# Altium PCB 接收器.PcbDoc
Units mm, origin at the board's own origin, x right, y up, seen from the top; angles counter-clockwise.
Board outline 27.69 x 17.68 mm, 2 copper layers (Top Layer, Bottom Layer), stack 1.18 mm thick; 28 components, 23 nets, 114 pads, 14 vias.
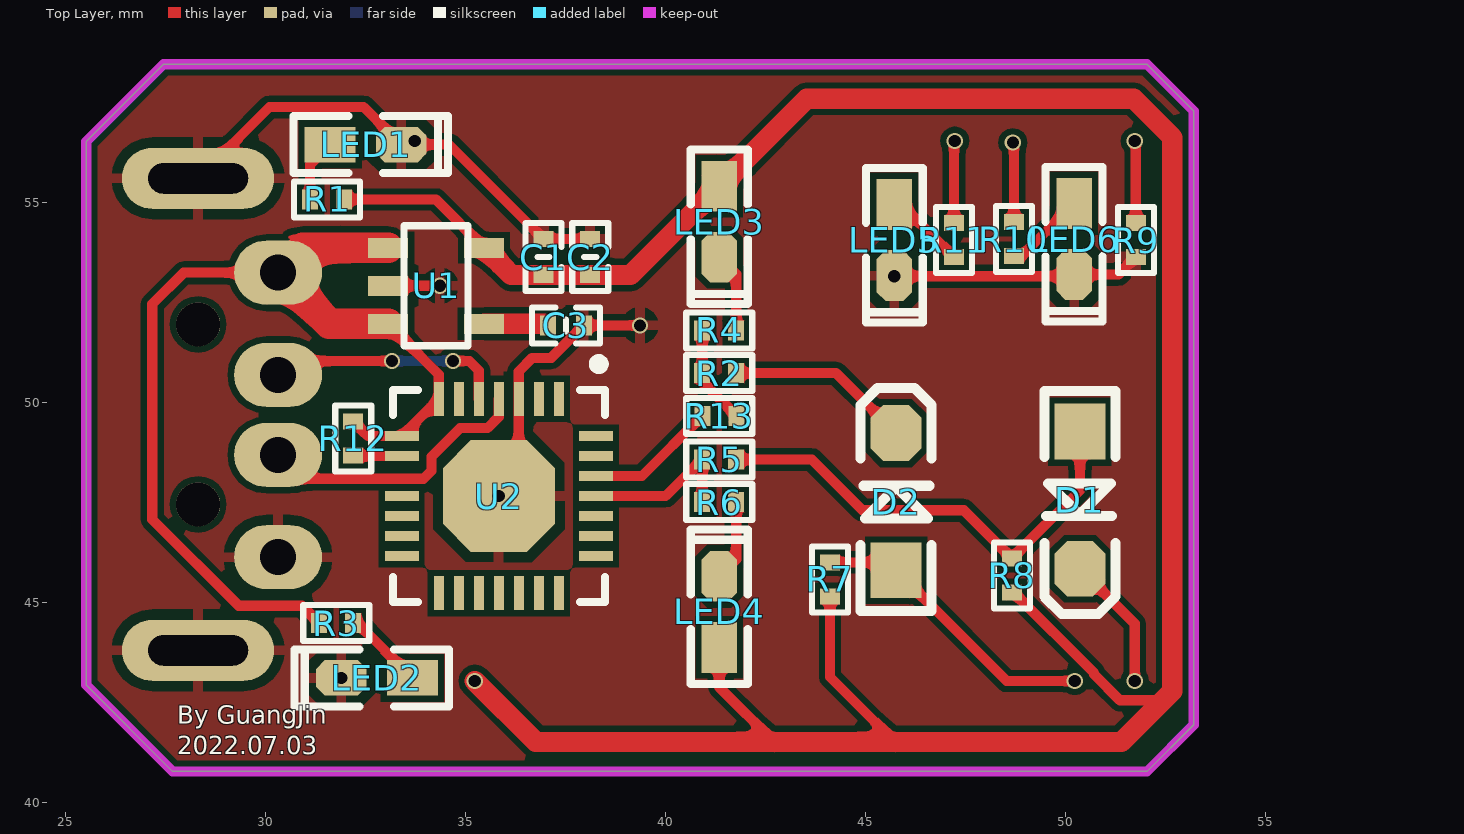
[diagram p0: Top Layer view]
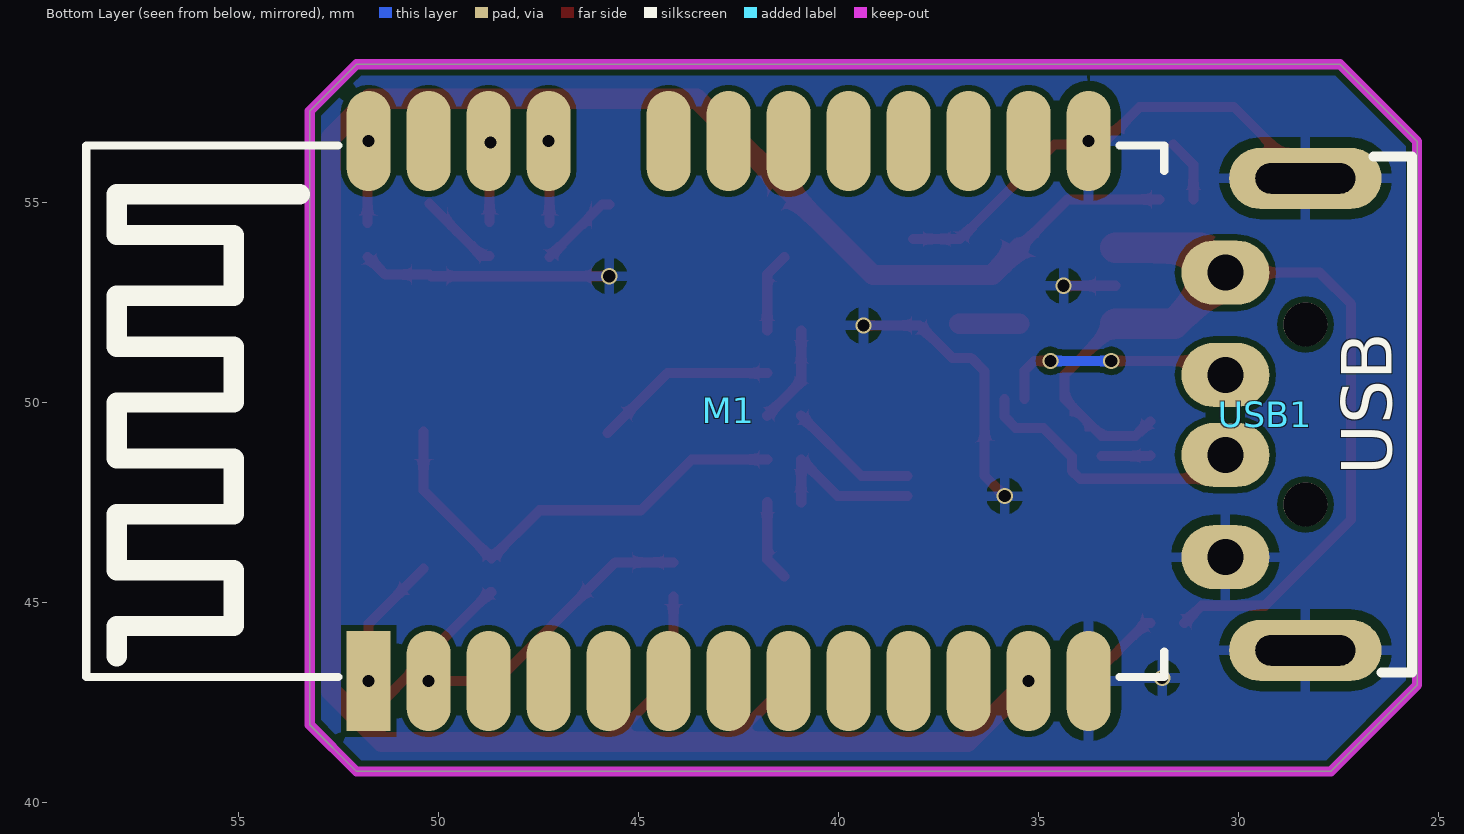
[diagram p1: Bottom Layer view, seen from below]
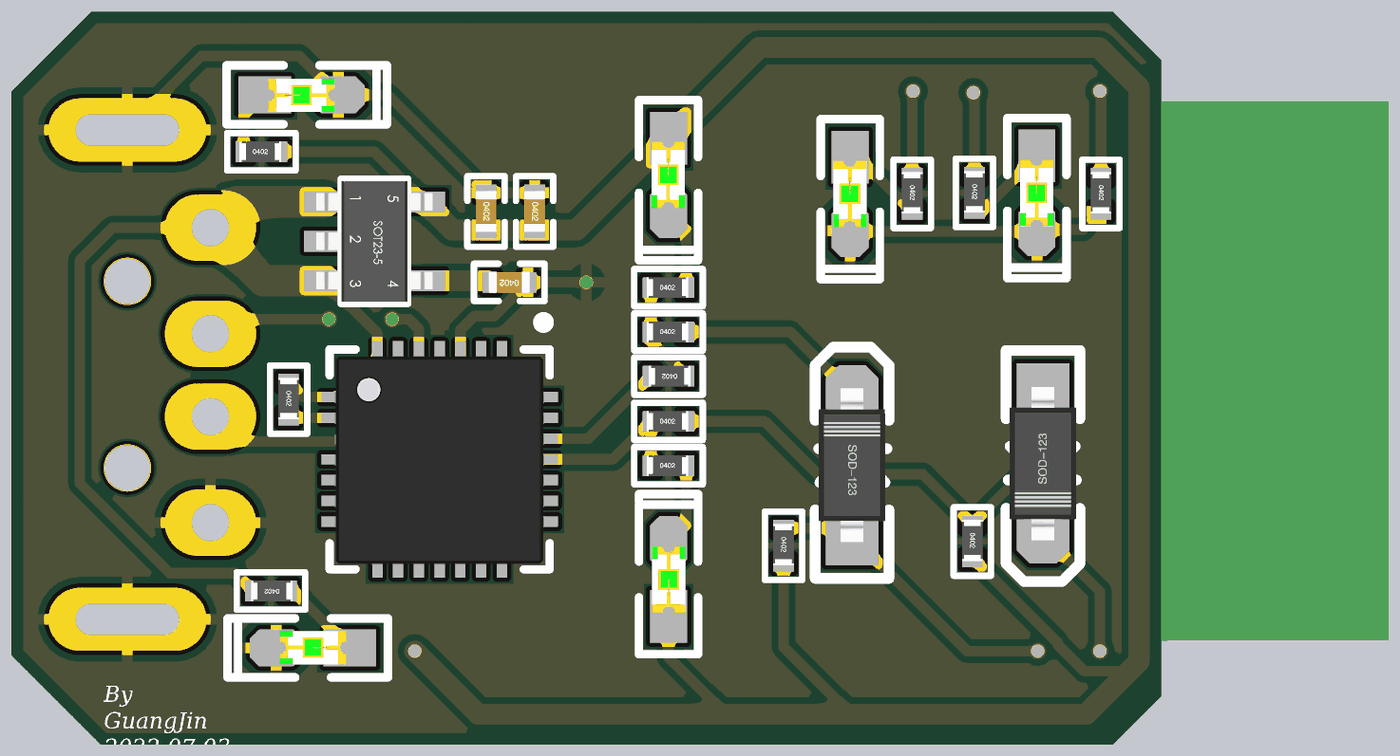
[diagram p2: 3D render of the assembled board from above, using the file's embedded part models]

## Layer stack, top to bottom
Top Solder: solder mask 0.01, Solder Resist, Dk 3.5
Top Layer: signal copper 0.03
Dielectric 1: dielectric 1.12, FR-4, Dk 4.8
Bottom Layer: signal copper 0.03
Bottom Solder: solder mask 0.01, Solder Resist, Dk 3.5

## Board outline
25.527,42.926 25.527,56.515 27.457,58.445 52.045,58.445 53.213,57.277 53.213,41.935 52.045,40.767 27.686,40.767

## Design rules (kind name [scope] priority, off if disabled: settings)
Clearance [All] p1: gap=0.152 ignorepadtopadclearanceinfootprint=FALSE
PolygonConnect [All] p1: connectstyle=Relief reliefconductorwidth=0.254 reliefentries=4 polygonreliefangle="90 Angle" airgapwidth=0.254
RoutingVias [All] p1: holewidth=0.711 width=1.27 viastyle="Through Hole" minholewidth=0.711 minwidth=1.27 maxholewidth=0.711 maxwidth=1.27
SolderMaskExpansion [All] p1: expansion=0.102
Width [All] p1: maxlimit=2.54 minlimit=0.152 preferedwidth=0.254
30 further rules are at their usual default settings.

## Components (designator, comment, footprint, x,y, rotation, side; value= is the part's Value field where it differs from the comment)
C1 "10uF" "C 0402_L" 36.957,53.627 r270 top
C2 "0.1uF" "C 0402_L" 38.125,53.627 r270 top
C3 "10nF" "C 0402_L" 37.516,51.918 r180 top
D1 "MBR0520" SOD-123 50.368,47.549 r270 top
D2 "MBR0520" SOD-123 45.771,47.511 r90 top
LED1 "红色" "LED 0603R" 32.512,56.432 r0 top
LED2 "红色" "LED 0603R" 32.792,43.11 r180 top
LED3 "蓝色" "LED 0603B" 41.345,54.509 r270 top
LED4 "蓝色" "LED 0603B" 41.358,44.755 r90 top
LED5 "红色" "LED 0603R" 45.72,54.051 r270 top
LED6 "绿色" "LED 0603G" 50.216,54.077 r270 top
M1 "HC-05" HC-05 45.337,49.778 r90 bottom
R1 "1K" "R 0402_L" 31.521,55.067 r0 top
R2 "100" "R 0402_L" 41.326,50.724 r0 top
R3 "1K" "R 0402_L" 31.801,44.475 r180 top
R4 "1K" "R 0402_L" 41.326,51.791 r0 top
R5 "100" "R 0402_L" 41.326,48.565 r0 top
R6 "1K" "R 0402_L" 41.326,47.498 r0 top
R7 "5.6K" "R 0402_L" 44.12,45.593 r270 top
R8 "5.6K" "R 0402_L" 48.666,45.695 r270 top
R9 "10K" "R 0402_L" 51.765,54.077 r270 top
R10 "10K" "R 0402_L" 48.717,54.102 r270 top
R11 "10K" "R 0402_L" 47.219,54.077 r270 top
R12 "10K" "R 0402_L" 32.201,49.116 r270 top
R13 "200R" "R 0402_L" 41.377,49.657 r180 top value=22R
U1 "ME6211" SOT23-5 33.071,53.858 r90 top
U2 "CP2102" QFN-28 35.839,47.65 r270 top value=Value
USB1 "USB" USB_A/P_A 28.321,49.693 r90 bottom

## Footprints (in the part's own frame and the unit in brackets; to place one, negate y for a bottom-side part, rotate by r counter-clockwise, add the part's x,y. Pads: shape width x height; smd on the part's side, far side on the other; paste and mask are expansions set on the pad)
"C 0402_L" [mm] "无极性贴片电容         淘宝ID:黄晶宝石"
  rect 0.4x0.5 smd: 1(-0.45,0) 2(0.45,0)
  silkscreen extent -0.85,-0.45 0.85,0.45, body extent -0.5,-0.26 0.5,0.26, height 0.53
HC-05 [mm] "串口蓝牙模块"
  rect 2.5x1.1 smd: 1(-6.75,6.403)
  oval 2.5x1.1 smd: 2(-6.75,4.903) 3(-6.75,3.403) 4(-6.75,1.903) 5(-6.75,0.403) 6(-6.75,-1.097) 7(-6.75,-2.597) 8(-6.75,-4.097) 9(-6.75,-5.597) 10(-6.75,-7.097) 11(-6.75,-8.597) 12(-6.75,-10.097) 13(-6.75,-11.597) 22(6.75,-11.597) 23(6.75,-10.097) 24(6.75,-8.597) 25(6.75,-7.097) 26(6.75,-5.597) 27(6.75,-4.097) 28(6.75,-2.597) 29(6.75,-1.097) 31(6.75,1.903) 32(6.75,3.403) 33(6.75,4.903) 34(6.75,6.403)
  silkscreen extent -6.65,-13.49 6.64,13.46, body extent -6.52,-13.37 6.52,13.35, height 2.46
"LED 0603B" [mil] "蓝色0603LED"
  rect 50x35 smd: 1(-35,0.26)
  oct 50x35 smd: 2(35,0.26)
  silkscreen extent -71,-28 81,28, body extent -31,-16 32,16, height 24
"LED 0603G" [mil] "绿色0603LED"
  rect 50x35 smd: 1(-35,0.26)
  oct 50x35 smd: 2(35,0.26)
  silkscreen extent -71,-28 81,28, body extent -31,-16 32,16, height 24
"LED 0603R" [mil] "红色0603LED"
  rect 50x35 smd: 1(-35,0.26)
  oct 50x35 smd: 2(35,0.26)
  silkscreen extent -71,-28 81,28, body extent -31,-16 32,16, height 24
QFN-28 [mm] "QFN, 28-Leads, Body 5.00x5.00mm, Pitch 0.50mm, Thermal Pad 3.03x3.03mm, IPC Medium Density"
  rect 0.85x0.25 smd: 1(-2.425,1.5) 2(-2.425,1) 3(-2.425,0.5) 4(-2.425,0) 5(-2.425,-0.5) 6(-2.425,-1) 7(-2.425,-1.5) 15(2.425,-1.5) 16(2.425,-1) 17(2.425,-0.5) 18(2.425,0) 19(2.425,0.5) 20(2.425,1) 21(2.425,1.5)
  rect 0.25x0.85 smd: 8(-1.5,-2.425) 9(-1,-2.425) 11(0,-2.425) 12(0.5,-2.425) 13(1,-2.425) 14(1.5,-2.425) 22(1.5,2.425) 23(1,2.425) 24(0.5,2.425) 25(0,2.425) 26(-0.5,2.425) 27(-1,2.425) 28(-1.5,2.425)
  oct 2.801x2.801 smd: 29(0,0)
  silkscreen extent -3.42,-2.65 2.65,2.65, body extent -2.5,-2.53 2.54,2.51, height 0.9
"R 0402_L" [mm] "1/16W贴片电阻     淘宝ID:黄晶宝石"
  rect 0.4x0.5 smd: 1(-0.4,0) 2(0.45,0)
  silkscreen extent -0.8,-0.45 0.85,0.45, body extent -0.5,-0.25 0.5,0.25, height 0.3
SOD-123 [mil] "2.7x1.6X1.1mm（长宽高，不包括引脚） 淘宝ID:黄晶宝石"
  rect 55x50 smd: 1(-67.5,0)
  oct 55x50 smd: 2(67.5,0)
  silkscreen extent -108,-35 112,35, body extent -73,-31 73,31, height 48
SOT23-5 [mm]
  rect 0.5x1 smd: 1(0,0) 2(-0.95,0) 3(-1.9,0) 4(-1.9,-2.4) 5(0,-2.4)
  silkscreen extent -2.45,-2 0.55,-0.4, body extent -2.4,-2.6 0.5,0.2, height 1.09
USB_A/P_A [mm] "A型USB 插头，20*13*4.5mm"
  round 1.1 hole 1.1: 0(-2.25,0) 0(2.25,0)
  oval 1.6x2.2 hole 0.9: 1(3.543,2) 2(0.987,2) 3(-1.013,2) 4(-3.569,2)
  oval 1.524x3.81 hole 0.762 slot 2.5 at 90 deg: 4(-5.9,0) 4(5.9,0)
  silkscreen extent -6.45,-2.67 6.45,-1.7, body extent -6.47,-17.9 6.47,2.11, height 3.25

## Part data
C1 C2 C3: library part 电容-0402, "Capacitor"
D1 D2: library part 1N4007, "整流二极管"
LED1 LED2 LED3 LED4 LED5 LED6: library part LED-SMD, "贴片LED", BOM名称=贴片, 学习资源=https://shop463601444.taobao., 版权归属=封装库来自淘
M1: "串口蓝牙模块"
R1 R2 R3 R4 R5 R6 R7 R8 R9 R10 R11 R12: library part R, "贴片电阻"
R13: library part 电阻-0402, "Resistor"
U1: "DC降压芯片"
U2: "USBתTTL", MFG #1="SILICON LABS", PART DESC="SINGLE-CHIP USB TO UART BRIDGE, QFN28, RoHS.", PART NUMBER=CP2102, RefDes=RefDes, Type=DEV
USB1: library part USB-A/P, "USB-A型公接口", BOM名称=USB-AÐÍ¹, 学习资源=www.ooocke.

## Via types
v1: diameter 0.406, hole 0.305, Top Layer to Bottom Layer, tented both sides, 14 vias

## Nets (pads, with @x,y where several pads share a name; then routed paths per layer and width w, separated by ;. In a path a pad name is that pad's centre, name@x,y a point inside that pad or via, vN(x,y) a via of type N, cw(c..) or ccw(c..) an arc to the next point about the centre after c; other vN are vias at no path point)
3.3V: C1.2 C2.2 LED3.1 LED4.1 M1.12 R1.2 R7.2 R8.2 U1.5 | length 68.3
  Top Layer w0.254: R1.2 34.262,55.067 U1.5 ; LED4.1 41.351,42.875 42.723,41.504 ; R7.2 44.12,43.129 45.745,41.504 ; R8.2 48.705,45.245 50.722,43.227 50.722,43.189 51.366,42.545 52.451,42.545
  Top Layer w0.508: v1(35.24,43.028) 36.764,41.504 42.723,41.504 45.745,41.504 51.41,41.504 52.451,42.545 52.68,42.774 52.68,56.617 51.714,57.582 43.536,57.582 LED3.1 39.131,53.177 C2.2 C1.2 36.152,53.177 U1.5
D+: U2.4 USB1.3 | length 7.1
  Top Layer w0.254: USB1.3 30.919,48.082 33.956,48.082 34.159,48.285 34.159,48.637 34.874,49.352 35.561,49.352 35.839,49.63 U2.4
D-: U2.5 USB1.2 | length 6
  Top Layer w0.254: USB1.2 30.67,51.029 v1(33.172,51.029) ; v1(34.696,51.029) 35.103,51.029 35.339,50.792 U2.5
  Bottom Layer w0.254: v1@33.147,51.029 v1(33.172,51.029) v1(34.696,51.029)
GND: C1.1 C2.1 C3.1 LED1.2 LED2.2 LED5.2 LED6.2 M1.13 M1.22 R9.2 U1.2 U2.3 U2.29 USB1.4 | length 26.3
  Top Layer w0.254: USB1.4@28.321,55.593 30.107,57.379 32.461,57.379 LED1.2 34.595,56.439 C1.1 C2.1 ; U1.2 v1(34.366,52.908) ; v1(35.839,47.65) 36.339,48.15 U2.3 36.339,50.767 36.678,51.105 37.153,51.105 C3.1 v1(39.37,51.918) ; LED5.2 v1(45.727,53.147) 50.182,53.147 LED6.2 51.326,53.187 R9.2
  other v1: 31.902,43.104 33.74,56.528
NetC3_2: C3.2 U1.4 | length 1.5
  Top Layer w0.508: U1.4 C3.2@36.975,51.958
NetD1_2: D1.2 M1.1 | length 3.4
  Top Layer w0.254: D1.2 51.74,44.463 v1(51.74,43.028)
NetD2_1: D2.1 M1.2 R7.1 | length 7.3
  Top Layer w0.254: R7.1 45.574,45.993 D2.1 48.539,43.028 v1(50.24,43.028)
NetLED1_1: LED1.1 R1.1 | length 1.6
  Top Layer w0.254: R1.1 31.121,55.937 LED1.1
NetLED2_1: LED2.1 R3.1 | length 2
  Top Layer w0.254: R3.1 32.309,44.475 LED2.1
NetLED3_2: LED3.2 R4.2 | length 2
  Top Layer w0.254: LED3.2 41.776,53.195 R4.2
NetLED4_2: LED4.2 R6.2 | length 2
  Top Layer w0.254: LED4.2 41.776,46.068 R6.2
NetLED5_1: LED5.1 R11.2 | length 2
  Top Layer w0.254: LED5.1 45.905,54.94 R11.2
NetLED6_1: LED6.1 R10.2 | length 2
  Top Layer w0.254: R10.2 48.909,53.652 LED6.1
NetM1_31: M1.31 R11.1 | length 2.1
  Top Layer w0.254: R11.1 47.219,56.506 v1(47.24,56.528)
NetM1_32: M1.32 R10.1 | length 2
  Top Layer w0.254: v1(48.692,56.49) 48.717,56.464 R10.1
NetM1_34: M1.34 R9.1 | length 2.1
  Top Layer w0.254: v1(51.74,56.528) 51.765,56.502 R9.1
NetR12_2: R12.2 U2.9 | length 1.2
  Top Layer w0.254: R12.2 32.217,48.65 U2.9
NetR13_2: R13.2 U2.26 | length 3.3
  Top Layer w0.254: U2.26 39.42,48.15 R13.2
RX-340: R5.1 R6.1 U2.25 | length 4.1
  Top Layer w0.254: U2.25 40.011,47.65 R5.1 R6.1
TX-340: R2.1 R4.1 R13.1 | length 2.5
  Top Layer w0.254: R4.1 R2.1 40.926,50.508 R13.1
UART1-RX: D1.1 R5.2 R8.1 | length 11.8
  Top Layer w0.254: R5.2 43.663,48.565 44.933,47.295 47.466,47.295 R8.1 50.368,47.797 D1.1
UART1-TX: D2.2 R2.2 | length 4.6
  Top Layer w0.254: R2.2 44.272,50.724 D2.2
USB-5V: R3.2 R12.1 U1.1 U1.3 U2.7 U2.8 USB1.1 | length 25.5
  Top Layer w0.254: USB1.1 27.963,53.236 27.178,52.451 27.178,47.066 29.337,44.907 30.919,44.907 R3.2 ; R12.1 32.567,49.15 U2.8 U2.7 34.339,50.69 U1.3
  Top Layer w0.762: U1.3 31.599,51.958 USB1.1 30.943,53.858 U1.1
pads on no net: M1.3 M1.4 M1.5 M1.6 M1.7 M1.8 M1.9 M1.10 M1.11 M1.23 M1.24 M1.25 M1.26 M1.27 M1.28 M1.29 M1.33 U2.1 U2.2 U2.6 U2.11 U2.12 U2.13 U2.14 U2.15 U2.16 U2.17 U2.18 U2.19 U2.20 U2.21 U2.22 U2.23 U2.24 U2.27 U2.28 USB1.0

## Polygon pours and split planes (outlines as drawn)
GND on Bottom Layer "Bottom Layer-GND" (solid, remove dead copper, pour order 12): 23.19,61.214 23.419,61.443 57.328,61.443 57.328,39.675 54.635,36.982 21.996,36.982
GND on Top Layer "Top Layer-GND" (solid, remove dead copper, pour order 14): 22.733,61.544 59.842,61.544 59.309,61.011 59.309,35.712 20.777,35.712 19.355,37.135

## Keep-outs
Keep-Out Layer:
  lines w0.254: 25.527,42.926 25.527,56.515 27.457,58.445 52.045,58.445 53.213,57.277 53.213,52.857 53.213,41.935 52.045,40.767 27.686,40.767 25.527,42.926

## Silkscreen, mask and mechanical layers (free items; w line width, h text height)
Top Overlay:
  text "By GuangJin / 2022.07.03" at 27.804,41.052 h0.76